# Altium PCB 幻影光靈-學院-武器_20241004.PcbDoc
Units mil, origin at the board's own origin, x right, y up, seen from the top; angles counter-clockwise.
Board outline 1102.36 x 3740.16 mil, 4 copper layers (Top Layer, Layer 1, Layer 2, Bottom Layer), stack 23.756 mil thick; 112 components, 76 nets, 441 pads, 186 vias.
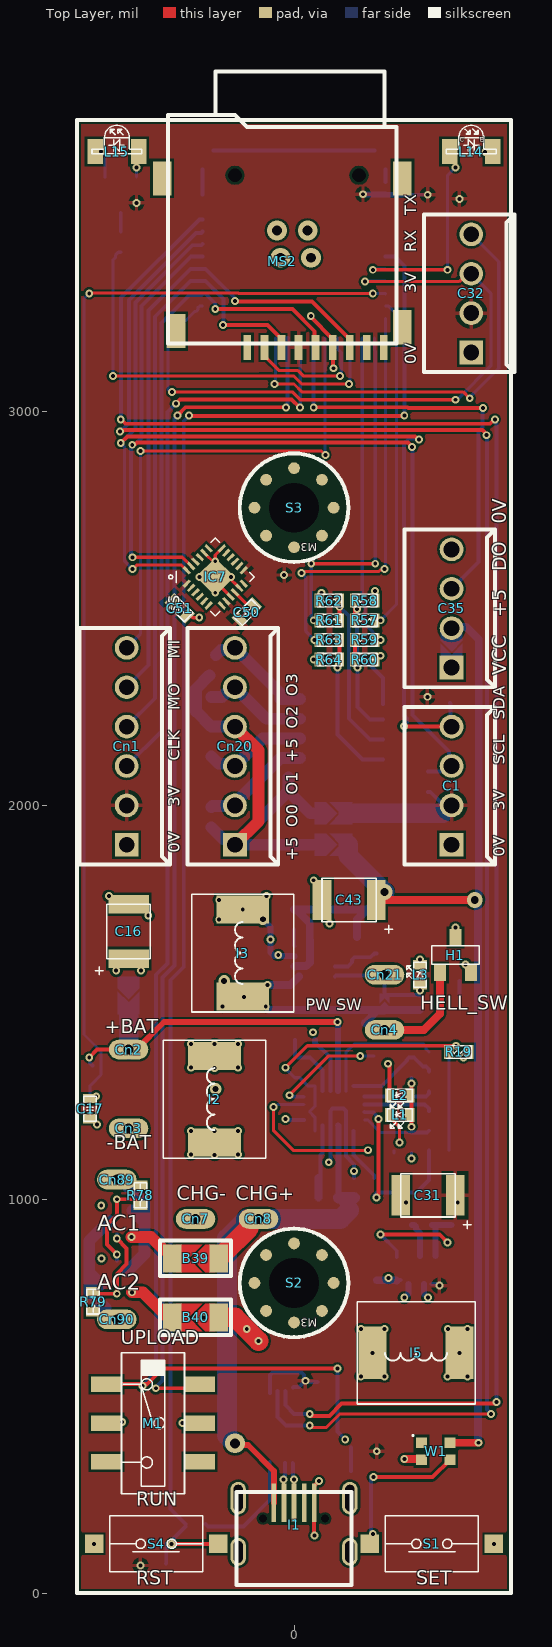
[diagram p0: Top Layer view]
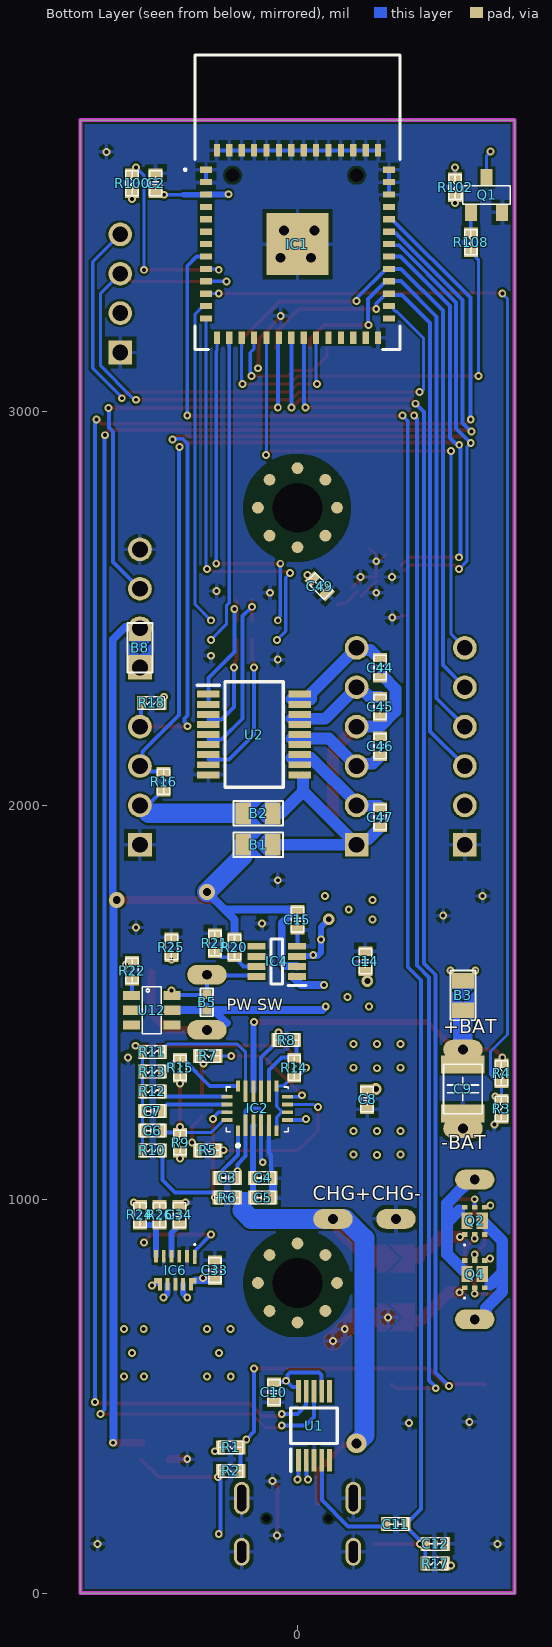
[diagram p1: Bottom Layer view, seen from below]
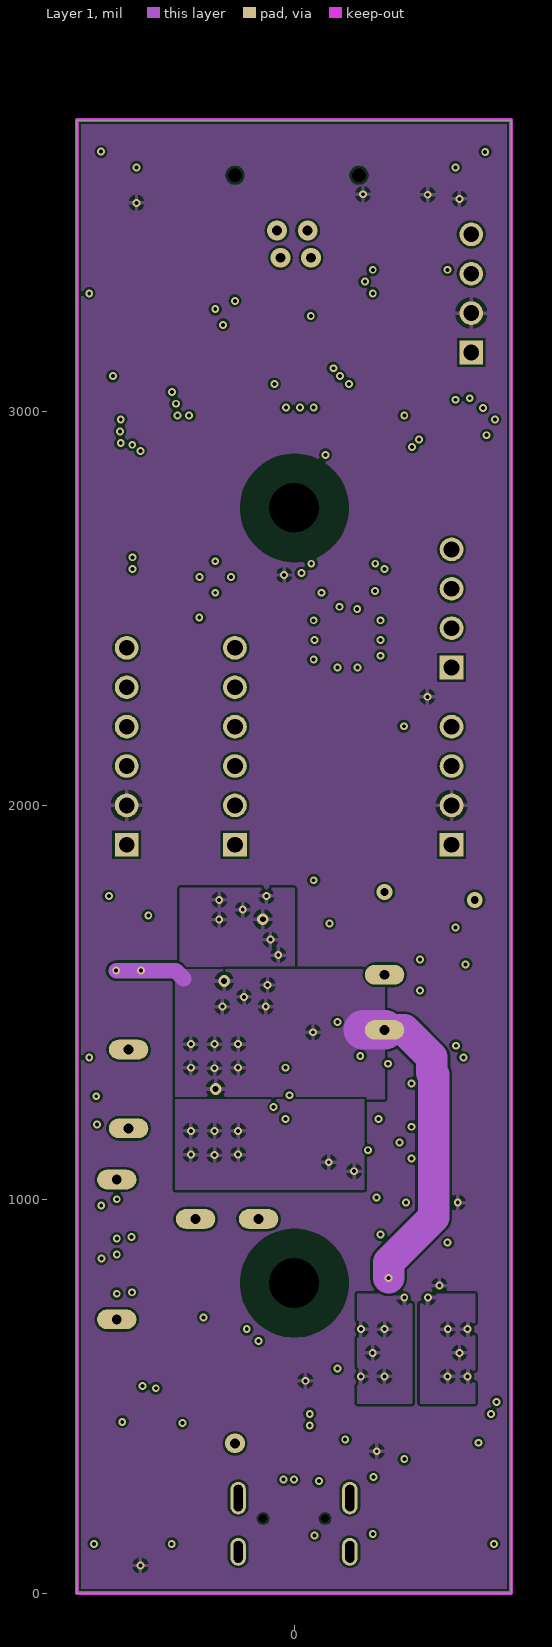
[diagram p2: Layer 1]
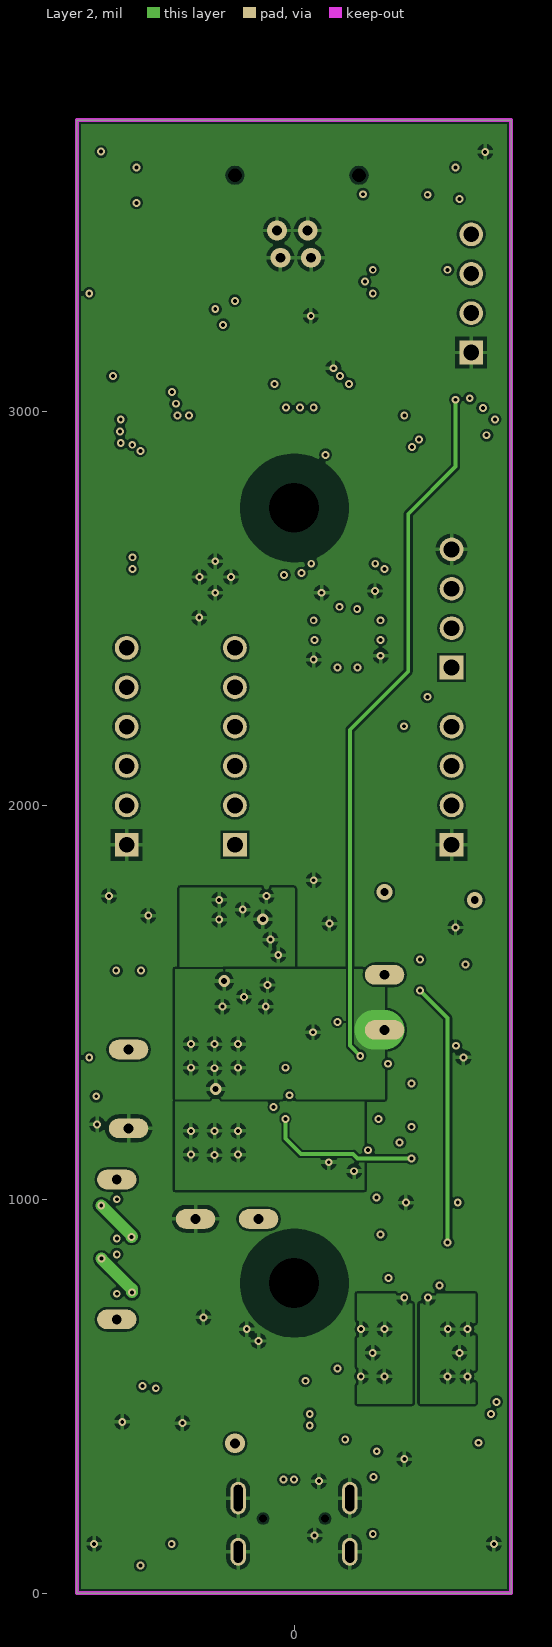
[diagram p3: Layer 2]
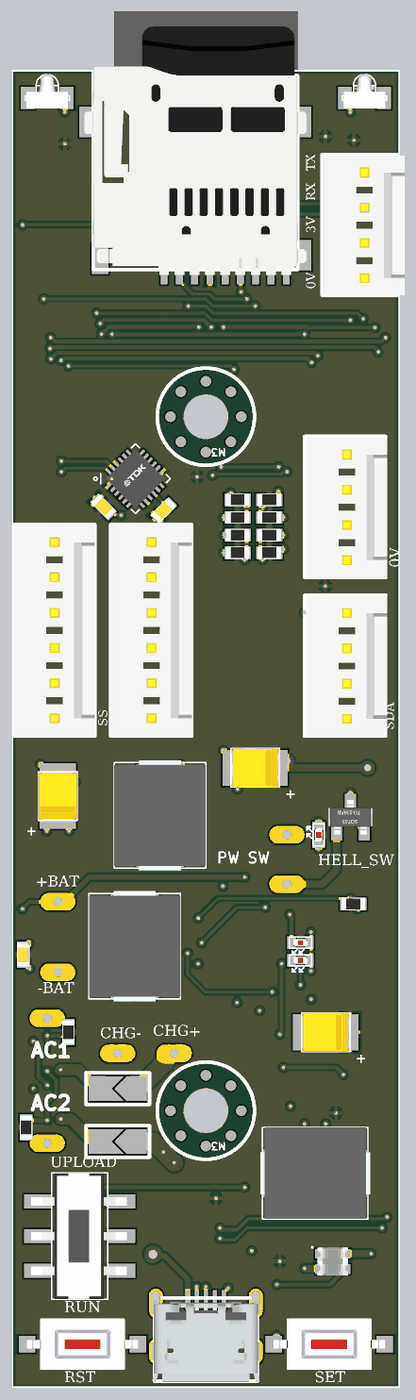
[diagram p4: 3D render of the assembled board from above, using the file's embedded part models]
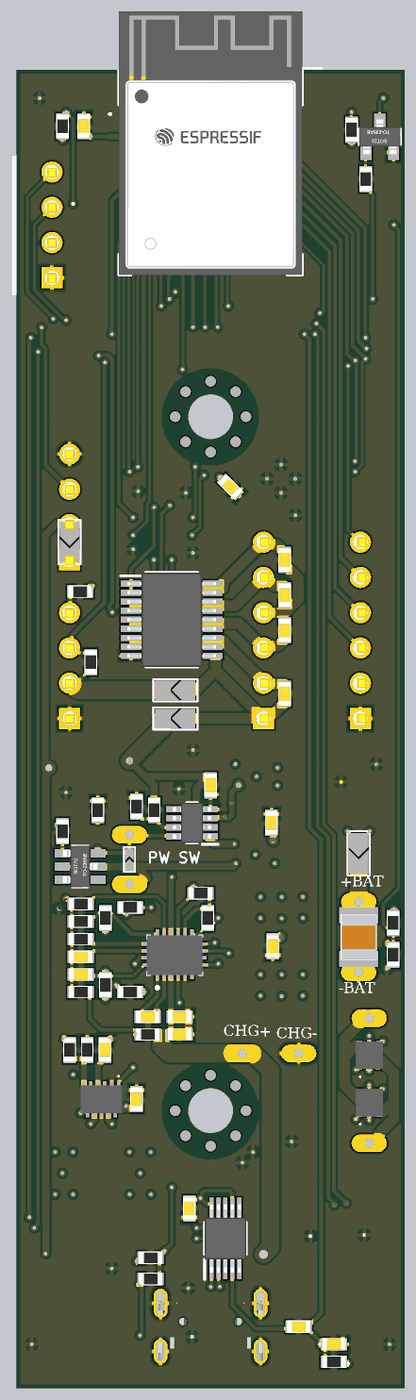
[diagram p5: 3D render of the assembled board from below, using the file's embedded part models]

## Layer stack, top to bottom
Top Solder: solder mask 0.4, Solder Resist, Dk 3.5
Top Layer: signal copper 1.4
Dielectric 2: prepreg 2.8, PP-006, Dk 4.1
Layer 1: signal copper 1.378
Dielectric 1: dielectric 12.6, FR-4, Dk 4.8
Layer 2: signal copper 1.378
Dielectric 3: prepreg 2.8, PP-006, Dk 4.1
Bottom Layer: signal copper 1.4
Bottom Solder: solder mask 0.4, Solder Resist, Dk 3.5

## Board outline
-551.18,0 551.18,0 551.18,3740.16 -551.18,3740.16

## Design rules (kind name [scope] priority, off if disabled: settings)
Clearance [All] p1: gap=6 ignorepadtopadclearanceinfootprint=FALSE
ComponentClearance [All] p1: gap=0 collisioncheckmode=3 verticalgap=0 showdistances=FALSE
DiffPairsRouting [All] p1: maxlimit=10 minlimit=10 mostfreqgap=10 toplayer_minwidth=6 toplayer_maxwidth=15 toplayer_prefwidth=15 midlayer1_minwidth=6 midlayer1_maxwidth=15 midlayer1_prefwidth=15 midlayer2_minwidth=6 midlayer2_maxwidth=15 midlayer2_prefwidth=15 bottomlayer_minwidth=6 bottomlayer_maxwidth=15 bottomlayer_prefwidth=15 maxuncoupledlength=500
Height [All] p1: minheight=0 maxheight=1968.5 prefheight=500
PolygonConnect [All] p1: connectstyle=Relief reliefconductorwidth=10 reliefentries=4 polygonreliefangle="90 Angle" airgapwidth=10
RoutingVias [All] p1: holewidth=28 width=50 viastyle="Through Hole" minholewidth=10 minwidth=20 maxholewidth=28 maxwidth=50
SolderMaskExpansion [All] p1: expansion=4 istentingtop=FALSE
Width [All] p1: maxlimit=100 minlimit=6 preferedwidth=10 midlayer1_minwidth=10 midlayer2_minwidth=10 minimp=50.000000 maximp=50.000000 favimp=50.000000
27 further rules are at their usual default settings.

## Classes and differential pairs
differential pair USB: +USB_P -USB_N

## Components (designator, comment, footprint, x,y, rotation, side; value= is the part's Value field where it differs from the comment)
B1 "不短路" BYPASS-0805 100,1900 r0 bottom
B2 "短路" BYPASS-0805 100,1980 r0 bottom
B3 "不短路" BYPASS-0805 -420,1517.4 r270 bottom
B5 "短路" BYPASS-0402 230,1500 r90 bottom
B8 "短路" BYPASS-0805 400,2400 r270 bottom
B39 "短路" BYPASS-1206 -250,850 r180 top
B40 "短路" BYPASS-1206 -250,700 r180 top
C1 "KF2510-4" Connector_KF2510-4A 400,1900 r180 top
C2 "0.1uF" Cap-0603 360,3580 r90 bottom
C3 "0.1uF" Cap-0603 178.19,1053.94 r180 bottom
C4 "10uF" Cap-0603 88.19,1053.94 r180 bottom
C5 "0.1uF" Cap-0603 88.19,1003.94 r180 bottom
C6 "1uF" Cap-0603 368.19,1173.94 r0 bottom
C7 "0.1uF" Cap-0603 368.19,1223.94 r0 bottom
C8 "1uF" Cap-0603 -176.81,1253.94 r270 bottom
C9 "47uF" CAP-1210 -420,1280 r270 bottom
C10 "1uF" Cap-0603 60,510 r270 bottom
C11 "1uF" Cap-0603 -250,175 r0 bottom
C12 "0.1uF" Cap-0603 -350,125 r180 bottom
C14 "10uF" Cap-0603 -172.28,1603.94 r90 bottom
C15 "1uF" Cap-0603 0,1710 r270 bottom
C16 "6.3V 220uF" CAP-B3528 -420,1680 r90 top
C17 "0.1uF" Cap-0603 -517.87,1230 r270 top
C31 "6.3V 220uF" CAP-B3528 340,1010 r180 top
C32 "KF2510-4" Connector_KF2510-4A 450,3150 r180 top
C33 "47uF" Cap-0603 210,820 r90 bottom
C34 "1uF" Cap-0603 300,960 r90 bottom
C35 "KF2510-4" Connector_KF2510-4A 400,2350 r180 top
C43 "6.3V 220uF" CAP-B3528 140,1760 r180 top
C44 "10uF" Cap-0603 -210,2350 r270 bottom
C45 "10uF" Cap-0603 -210,2250 r270 bottom
C46 "10uF" Cap-0603 -210,2150 r90 bottom
C47 "10uF" Cap-0603 -210,1970 r270 bottom
C49 "0.1uF" Cap-0603 -56.08,2556.88 r225 bottom
C50 "0.1uF" Cap-0603 -120,2490 r225 top
C51 "10uF" Cap-0603 -290,2500 r315 top
Cn1 "KF2510-6" Connector_KF2510-6A -425,1900 r180 top
Cn2 "Contact" Contact_Joints1*0.5 -420,1380 r270 top
Cn3 "Contact" Contact_Joints1*0.5 -420,1180 r270 top
Cn4 "Contact" Contact_Joints1*0.5 230,1430 r270 top
Cn7 "Contact" Contact_Joints1*0.5 -250,950 r270 top
Cn8 "Contact" Contact_Joints1*0.5 -90,950 r270 top
Cn20 "KF2510-6" Connector_KF2510-6A -150,1900 r180 top
Cn21 "Contact" Contact_Joints1*0.5 230,1570 r270 top
Cn89 "Contact" Contact_Joints1*0.5 -450,1050 r270 top
Cn90 "Contact" Contact_Joints1*0.5 -450,695 r90 top
H1 "A3212#不用SMT" "SOT 23-3" 410,1620 r0 top
I1 "Interface_USB-Micro" Interface_USB-micro 0,20 r180 top
I2 "1uH" Inductor-0630 -201.81,1253.94 r90 top
I3 "1.5uH" Inductor-0630 -130.15,1625 r90 top
I5 "1uH" Inductor-0630 310,610 r180 top
IC1 "ESP32-MINI-1-N4" ESP32MINI1N4 232.28,3614.17 r180 bottom locked
IC2 "MP2617BGL-P" MP2617BGL 102.05,1230.79 r90 bottom
IC4 "MP3414AGJ-Z" "SOT 23-8" 52.72,1603.94 r0 bottom
IC6 "MP28164GD-Z" MP28164GDZ 310,820 r270 bottom
IC7 "MPU-9250" QFN-24 -200,2580 r45 top
L1 "紅" LED-0603 268.19,1213.94 r0 top
L2 "綠" LED-0603 268.19,1263.94 r0 top
L3 "綠" LED-0603 320,1570 r270 top
L14 "LED-IR" LED-IR-1206 450,3660 r0 top
L15 "LED-IE" LED-IE-1206 -450,3660 r0 top
M1 "MST22D18G2" Switch_MST22D18G2 -358.11,431.57 r270 top
MS2 "Interface_MicroSD card slot" "Interface_MicroSD card slot" -33.86,3162.99 r0 top
Q1 "AO3400" "SOT 23-3" -480,3550 r180 bottom
Q2 "MOS_Dual P_AON2801" DFN-6_2x2 -450,945 r180 bottom
Q4 "MOS_Dual N_AON2800" DFN-6_2x2 -450,810 r180 bottom
R1 "10K" Res-0603 170,370 r180 bottom
R2 "1K" Res-0603 170,310 r180 bottom
R3 "100K" Res-0603 -517.87,1230 r90 bottom
R4 "100K" Res-0603 -517.87,1320 r90 bottom
R5 "2K" Res-0603 228.19,1123.94 r180 bottom
R6 "21K" Res-0603 178.19,1003.94 r0 bottom
R7 "2K" Res-0603 228.19,1363.94 r180 bottom
R8 "27K" Res-0603 28.19,1403.94 r0 bottom
R9 "100K" Res-0603 298.19,1143.94 r270 bottom
R10 "10K" Res-0603 368.19,1123.94 r0 bottom
R11 "2K" Res-0603 368.19,1373.94 r0 bottom
R12 "22K" Res-0603 368.19,1273.94 r0 bottom
R13 "10K" Res-0603 368.19,1323.94 r0 bottom
R14 "10K" Res-0603 8.19,1333.94 r270 bottom
R15 "10K" Res-0603 298.19,1333.94 r90 bottom
R16 "2.4K" Res-0603 340,2060 r90 bottom
R17 "10K" Res-0603 -350,75 r0 bottom
R18 "2.4K" Res-0603 370,2260 r180 bottom
R19 "0R" Res-0603 418.19,1373.94 r180 top
R20 "1M" Res-0603 160,1640 r270 bottom
R21 "137K" Res-0603 210,1650 r270 bottom
R22 "2.4K" Res-0603 420,1580 r90 bottom
R24 "560K" Res-0603 400,960 r90 bottom
R25 "330" Res-0603 320,1640 r270 bottom
R26 "100K" Res-0603 350,960 r270 bottom
R57 "1K" Res-0603 180,2470 r180 top
R58 "100K" Res-0603 180,2520 r180 top
R59 "1K" Res-0603 180,2420 r180 top
R60 "100K" Res-0603 180,2370 r180 top
R61 "1K" Res-0603 90,2470 r0 top
R62 "100K" Res-0603 90,2520 r0 top
R63 "1K" Res-0603 90,2420 r0 top
R64 "100K" Res-0603 90,2370 r0 top
R78 "1K" Res-0603 -390,1010 r90 top
R79 "1K" Res-0603 -510,740 r270 top
R100 "10K" Res-0603 420,3580 r90 bottom
R102 "100" Res-0603 -400,3570 r90 bottom
R108 "1K" Res-0603 -440,3430 r90 bottom
S1 "Switch" "Switch SMD-3.6*6*2.5" 350,125 r180 top
S2 "M3" "Screw M3" 0,787.4 r180 top locked
S3 "M3" "Screw M3" 0,2755.91 r180 top locked
S4 "Switch" "Switch SMD-3.6*6*2.5" -350,125 r180 top
U1 "CH340X" SSOP-10 -42,425 r90 bottom
U2 "TBD62083A" TSSOP-18 110,2180 r180 bottom
U12 "CS2130#不用SMT" "SOT 23-6" 370,1480 r180 bottom
W1 "2020" LED-WS2812B-2020 360,360 r180 top

## Footprints (in the part's own frame and the unit in brackets; to place one, negate y for a bottom-side part, rotate by r counter-clockwise, add the part's x,y. Pads: shape width x height; smd on the part's side, far side on the other; paste and mask are expansions set on the pad)
BYPASS-0402 [mm] "短接焊點"
  rect 0.6x0.6 smd: 1(-0.5,0) 2(0.5,0)
  Top Layer region: -0.575,-0.3 -0.575,0.3 -0.275,0.3 0.025,0 -0.275,-0.3
  Top Layer region: -0.05,-0.3 0.25,0 -0.05,0.3 0.55,0.3 0.55,-0.3
  silkscreen extent -0.9,-0.4 0.9,0.4
BYPASS-0805 [mm] "短接焊點"
  rect 1x1.4 smd: 1(-0.95,0) 2(0.95,0)
  Top Layer region: -0.25,-0.7 0.45,0 -0.25,0.7 1.2,0.7 1.2,-0.7
  Top Layer region: -1.2,-0.7 -1.2,0.7 -0.45,0.7 0.25,0 -0.45,-0.7
  silkscreen extent -1.6,-0.8 1.6,0.8
BYPASS-1206 [mm] "短接焊點"
  rect 1.2x1.8 smd: 1(-1.5,0) 2(1.5,0)
  Top Layer region: -1.2,-0.889 -1.2,0.889 -0.639,0.889 0.25,0 -0.639,-0.889
  Top Layer region: -0.439,-0.889 0.45,0 -0.439,0.889 1.2,0.889 1.2,-0.889
  silkscreen extent -2.29,-1.14 2.29,1.14
Cap-0603 [mm] "電容 SMD"
  rect 0.6x0.9 smd: 1(-0.65,0) 2(0.65,0)
  silkscreen extent -0.8,-0.4 0.8,0.4, body extent -0.8,-0.4 0.8,0.4, height 0.5
CAP-1210 [mm] "電容 SMD"
  rect 1.15x2.8 smd: 1(-1.575,0) 2(1.575,0)
  silkscreen extent -1.6,-1.25 1.6,1.25, body extent -1.6,-1.23 1.6,1.27, height 0.95
CAP-B3528 [mm] "鉭電容 B型"
  rect 1.2x2.6 smd: 1(-1.75,0) 2(1.75,0)
  silkscreen extent -2.79,-1.4 1.75,2.16, body extent -1.75,-1.4 1.75,1.4, height 1.91
Connector_KF2510-4A [mil] "防呆接頭(4P)"
  rect 60x60 hole 40: 1(0,0)
  round 60 hole 40: 2(0,-100) 3(0,-200) 4(0,-300)
  silkscreen extent -110,-350 120,50, body extent -114,-348 114,50, height 461
Connector_KF2510-6A [mil] "防呆接頭(6P)"
  rect 60x60 hole 40: 1(0,0)
  round 60 hole 40: 2(0,-100) 3(0,-200) 4(0,-300) 5(0,-400) 6(0,-500)
  silkscreen extent -110,-550 120,50, body extent -110,-549 118,49, height 124
Contact_Joints1*0.5 [mil] "焊點1*0.5"
  oval 50x100 hole 25: 1(0,0)
DFN-6_2x2 [mm]
  rect 0.35x0.3 smd: 1(-0.65,-0.875) 2(0,-0.875) 3(0.65,-0.875) 4(0.65,0.875) 5(0,0.875) 6(-0.65,0.875)
  rect 0.72x1.05 smd: 7(-0.49,0) 8(0.49,0)
  silkscreen extent -0.7,-1.6 -0.6,-1.5, body extent -1,-1 1,1, height 0.62
ESP32MINI1N4 [mm]
  rect 0.8x0.4 smd: 1(0,0) 2(0,-0.8) 3(0,-1.6) 4(0,-2.4) 5(0,-3.2) 6(0,-4) 7(0,-4.8) 8(0,-5.6) 9(0,-6.4) 10(0,-7.2) 11(0,-8) 12(0,-8.8) 13(0,-9.6) 28(11.8,-9.6) 29(11.8,-8.8) 30(11.8,-8) 31(11.8,-7.2) 32(11.8,-6.4) 33(11.8,-5.6) 34(11.8,-4.8) 35(11.8,-4) 36(11.8,-3.2) 37(11.8,-2.4) 38(11.8,-1.6) 39(11.8,-0.8) 40(11.8,0)
  rect 0.4x0.8 smd: 14(0.7,-10.85) 15(1.5,-10.85) 16(2.3,-10.85) 17(3.1,-10.85) 18(3.9,-10.85) 19(4.7,-10.85) 20(5.5,-10.85) 21(6.3,-10.85) 22(7.1,-10.85) 23(7.9,-10.85) 24(8.7,-10.85) 25(9.5,-10.85) 26(10.3,-10.85) 27(11.1,-10.85) 41(11.1,1.25) 42(10.3,1.25) 43(9.5,1.25) 44(8.7,1.25) 45(7.9,1.25) 46(7.1,1.25) 47(6.3,1.25) 48(5.5,1.25) 49(4.7,1.25) 50(3.9,1.25) 51(3.1,1.25) 52(2.3,1.25) 53(1.5,1.25) 54(0.7,1.25)
  rect 4x4 smd: 55(5.9,-4.8)
  silkscreen extent -1.4,-11.6 12.5,7.4, body extent -0.7,-11.6 12.5,7.4, height 2.4
Inductor-0630 [mm] "一體式電感"
  rect 1.8x3.4 smd: 1(-2.8,0) 2(2.8,0)
  silkscreen extent -3.8,-3.3 3.8,3.3, body extent -3.96,-3.3 3.97,3.3, height 3.1
"Interface_MicroSD card slot" [mm] "Micro SD卡座"
  rect 0.5x1.6 smd: 1(-2.15,0) 2(-1.05,0) 3(0.05,0) 4(1.15,0) 5(2.25,0) 6(3.35,0) 7(4.45,0) 8(5.55,0) 9(6.65,0)
  rect 1.2x2.2 smd: 10(-7.65,10.9) 10(-6.75,1.05) 10(7.85,1.3) 10(7.85,10.9)
  round 0 hole 0.9: 10(-2.95,11.1) 10(5.05,11.1)
  silkscreen extent -7.27,0.25 7.47,17.78, body extent -7.9,-0.12 8.1,17.78, height 1.85
Interface_USB-micro [mm] "USB-micro 母座"
  rect 0.3x2.5 smd: 1(1.3,-5.31) 2(0.65,-5.31) 3(0,-5.31) 4(-0.65,-5.31) 5(-1.3,-5.31)
  round 0 hole 0.5: '(-2,-4.3) '(2,-4.3)
  oval 1x1.8 hole 0.6 slot 1.4 at 90 deg: PE(-3.6,-2.15) PE(3.6,-2.15)
  oval 1x2.1 hole 0.6 slot 1.7 at 90 deg: PE(-3.6,-5.62) PE(3.6,-5.62)
  silkscreen extent -3.7,-6 3.7,0, body extent -3.89,-5.77 3.89,0.07, height 2.7
LED-0603 [mm] "發光二極體 SMD"
  rect 0.6x0.9 smd: 1(-0.65,0) 2(0.65,0)
  silkscreen extent -0.8,-0.84 0.8,0.4, body extent -0.5,-0.25 0.5,0.25, height 0.16
LED-IE-1206 [mm] "紅外線發射二極體-1206"
  rect 1x1.6 smd: 1(-1.4,0) 2(1.4,0)
  silkscreen extent -1.6,-0.15 1.6,1.7, body extent -1.5,-0.76 1.5,1.75, height 1.2
LED-IR-1206 [mm] "紅外線接收二極體-1206"
  rect 1x1.6 smd: 1(-1.4,0) 2(1.4,0)
  silkscreen extent -1.6,-0.15 1.6,1.7, body extent -1.5,-0.76 1.5,1.75, height 1.2
LED-WS2812B-2020 [mm] "幻彩燈珠-2020"
  rect 0.7x0.7 smd: 1(0.915,-0.55) 2(0.915,0.55) 3(-0.915,0.55) 4(-0.915,-0.55)
  silkscreen extent 1.42,-1.07 1.52,-0.97, body extent -1.1,-1 1.1,1, height 0.84
MP2617BGL [mm]
  rect 0.7x0.25 smd: 1(-1.45,1.25) 6(-1.45,-1.25) 11(1.45,-1.25) 16(1.45,1.25)
  rect 1.4x0.25 smd: 2(-1.1,0.75) 3(-1.1,0.25) 4(-1.1,-0.25) 5(-1.1,-0.75) 12(1.1,-0.75) 13(1.1,-0.25) 14(1.1,0.25) 15(1.1,0.75)
  rect 0.25x0.7 smd: 7(-0.75,-1.95) 8(-0.25,-1.95) 9(0.25,-1.95) 10(0.75,-1.95) 17(0.75,1.95) 18(0.25,1.95) 19(-0.25,1.95) 20(-0.75,1.95)
  silkscreen extent -2.5,-2 1.38,2, body extent -1.49,-2 1.38,2, height 1.15
MP28164GDZ [mm]
  rect 0.9x0.25 smd: 1(-0.85,1.25)
  rect 0.8x0.25 smd: 2(-0.9,0.75) 3(-0.9,0.25) 4(-0.9,-0.25) 5(-0.9,-0.75) 6(-0.9,-1.25) 7(0.9,-1) 8(0.9,-0.5) 9(0.9,0) 10(0.9,0.5) 11(0.9,1)
  rect 0.375x0.25 smd: 12(0.688,1.25) 13(0.688,-1.25)
  silkscreen extent -1.7,1.2 -1.6,1.3, body extent -1,-1.5 1,1.5, height 1.1
QFN-24 [mm] "QFN40P300X300X105-25N-D"
  rect 0.6x0.2 smd: 1(-1.6,1) 2(-1.6,0.6) 3(-1.6,0.2) 4(-1.6,-0.2) 5(-1.6,-0.6) 6(-1.6,-1) 13(1.6,-1) 14(1.6,-0.6) 15(1.6,-0.2) 16(1.6,0.2) 17(1.6,0.6) 18(1.6,1)
  rect 0.2x0.6 smd: 7(-1,-1.6) 8(-0.6,-1.6) 9(-0.2,-1.6) 10(0.2,-1.6) 11(0.6,-1.6) 12(1,-1.6) 19(1,1.6) 20(0.6,1.6) 21(0.2,1.6) 22(-0.2,1.6) 23(-0.6,1.6) 24(-1,1.6)
  rect 1.75x1.75 smd: 25(0,0)
  silkscreen extent -2.16,-1.78 1.78,2.16, body extent -1.5,-1.5 1.5,1.5, height 0.98
Res-0603 [mm] "1/10W電阻 SMD"
  rect 0.6x0.9 smd: 1(-0.65,0) 2(0.65,0)
  silkscreen extent -0.8,-0.4 0.8,0.4, body extent -0.8,-0.4 0.8,0.4, height 0.55
"Screw M3" [mil] "螺絲 M3"
  round 30 smd: 1(-100.39,0) 1(-70.99,70.99) 1(-70.99,-70.99) 1(0,100.39) 1(0,-100.39) 1(70.99,70.99) 1(70.99,-70.99) 1(100.39,0)
  round 30 smd far side: 1(-100.39,0) 1(-70.99,70.99) 1(-70.99,-70.99) 1(0,100.39) 1(0,-100.39) 1(70.99,70.99) 1(70.99,-70.99) 1(100.39,0)
  round 118.11 hole 125.98: 1(0,0)
  Multi-Layer pour cut-out: -1.1,-137.13 -53.83,-126.64 -98.54,-96.77 -128.41,-52.07 -138.9,0.67 -138.9,0.67 -128.41,53.4 -98.54,98.1 -53.83,127.97 -1.1,138.46 -1.1,138.46 51.63,127.97 96.33,98.1 126.2,53.4 136.69,0.67 136.69,0.67 126.2,-52.07 96.33,-96.77 51.63,-126.64 -1.1,-137.13
  silkscreen extent -138,-138 138,138, body extent -108,-108 108,108, height 118
"SOT 23-3" [mm]
  rect 0.8x1.1 smd: 1(-1,-1.125) 2(1,-1.125) 3(0,1.125)
  silkscreen extent -1.52,-0.6 1.52,0.6, body extent -1.5,-1.25 1.5,1.25, height 1.09
"SOT 23-6" [mm]
  rect 1.1x0.6 smd: 1(-1.3,0.95) 2(-1.3,0) 3(-1.3,-0.95) 4(1.3,-0.95) 5(1.3,0) 6(1.3,0.95)
  silkscreen extent -0.6,-1.52 0.6,1.52, body extent -1.25,-1.5 1.25,1.5, height 1.09
"SOT 23-8" [mm] "SOT65P280X100-8N"
  rect 1.15x0.45 smd: 1(-1.3,0.975) 2(-1.3,0.325) 3(-1.3,-0.325) 4(-1.3,-0.975) 5(1.3,-0.975) 6(1.3,-0.325) 7(1.3,0.325) 8(1.3,0.975)
  silkscreen extent -1.88,-1.45 0.38,1.55, body extent -1.4,-1.45 1.4,1.45, height 1
SSOP-10 [mm] "SOP50P490X110-10N"
  rect 1.45x0.3 smd: 1(-2.225,1) 2(-2.225,0.5) 3(-2.225,0) 4(-2.225,-0.5) 5(-2.225,-1) 6(2.225,-1) 7(2.225,-0.5) 8(2.225,0) 9(2.225,0.5) 10(2.225,1)
  silkscreen extent -2.95,-1.5 1.15,1.5, body extent -2.45,-1.5 2.45,1.5, height 1.1
"Switch SMD-3.6*6*2.5" [mm] "按鍵開關"
  rect 1.2x1.2 smd: 1(-4,0) 2(4,0)
  silkscreen extent -3,-1.8 3,1.8, body extent -4,-1.8 4,1.8, height 2.6
Switch_MST22D18G2 [mm] "2檔滑動開關"
  rect 1x2 smd: 1(0,-3) 2(-2.5,-3) 3(2.5,-3) 4(0,3) 5(-2.5,3) 6(2.5,3)
  silkscreen extent -4.55,-2.03 4.55,2.03, body extent -4.52,-3.5 4.52,3.4, height 5.45
TSSOP-18 [mm] "SOP65P640X155-18N"
  rect 1.45x0.45 smd: 1(-2.95,2.6) 2(-2.95,1.95) 3(-2.95,1.3) 4(-2.95,0.65) 5(-2.95,0) 6(-2.95,-0.65) 7(-2.95,-1.3) 8(-2.95,-1.95) 9(-2.95,-2.6) 10(2.95,-2.6) 11(2.95,-1.95) 12(2.95,-1.3) 13(2.95,-0.65) 14(2.95,0) 15(2.95,0.65) 16(2.95,1.3) 17(2.95,1.95) 18(2.95,2.6)
  silkscreen extent -3.67,-3.4 1.88,3.4, body extent -3.2,-3.4 3.2,3.4, height 1.55